# Altium PCB COEX PIX.pcbdoc (part 2 of 2)
Units mm, origin at the board's own origin, x right, y up, seen from the top; angles counter-clockwise.
Board outline 36.26 x 36.26 mm, 4 copper layers (Top Layer, Mid-Layer 1, Mid-Layer 2, Bottom Layer); 112 components, 139 nets, 467 pads, 443 vias.
Unrouted connection lines stored in the file: 3.
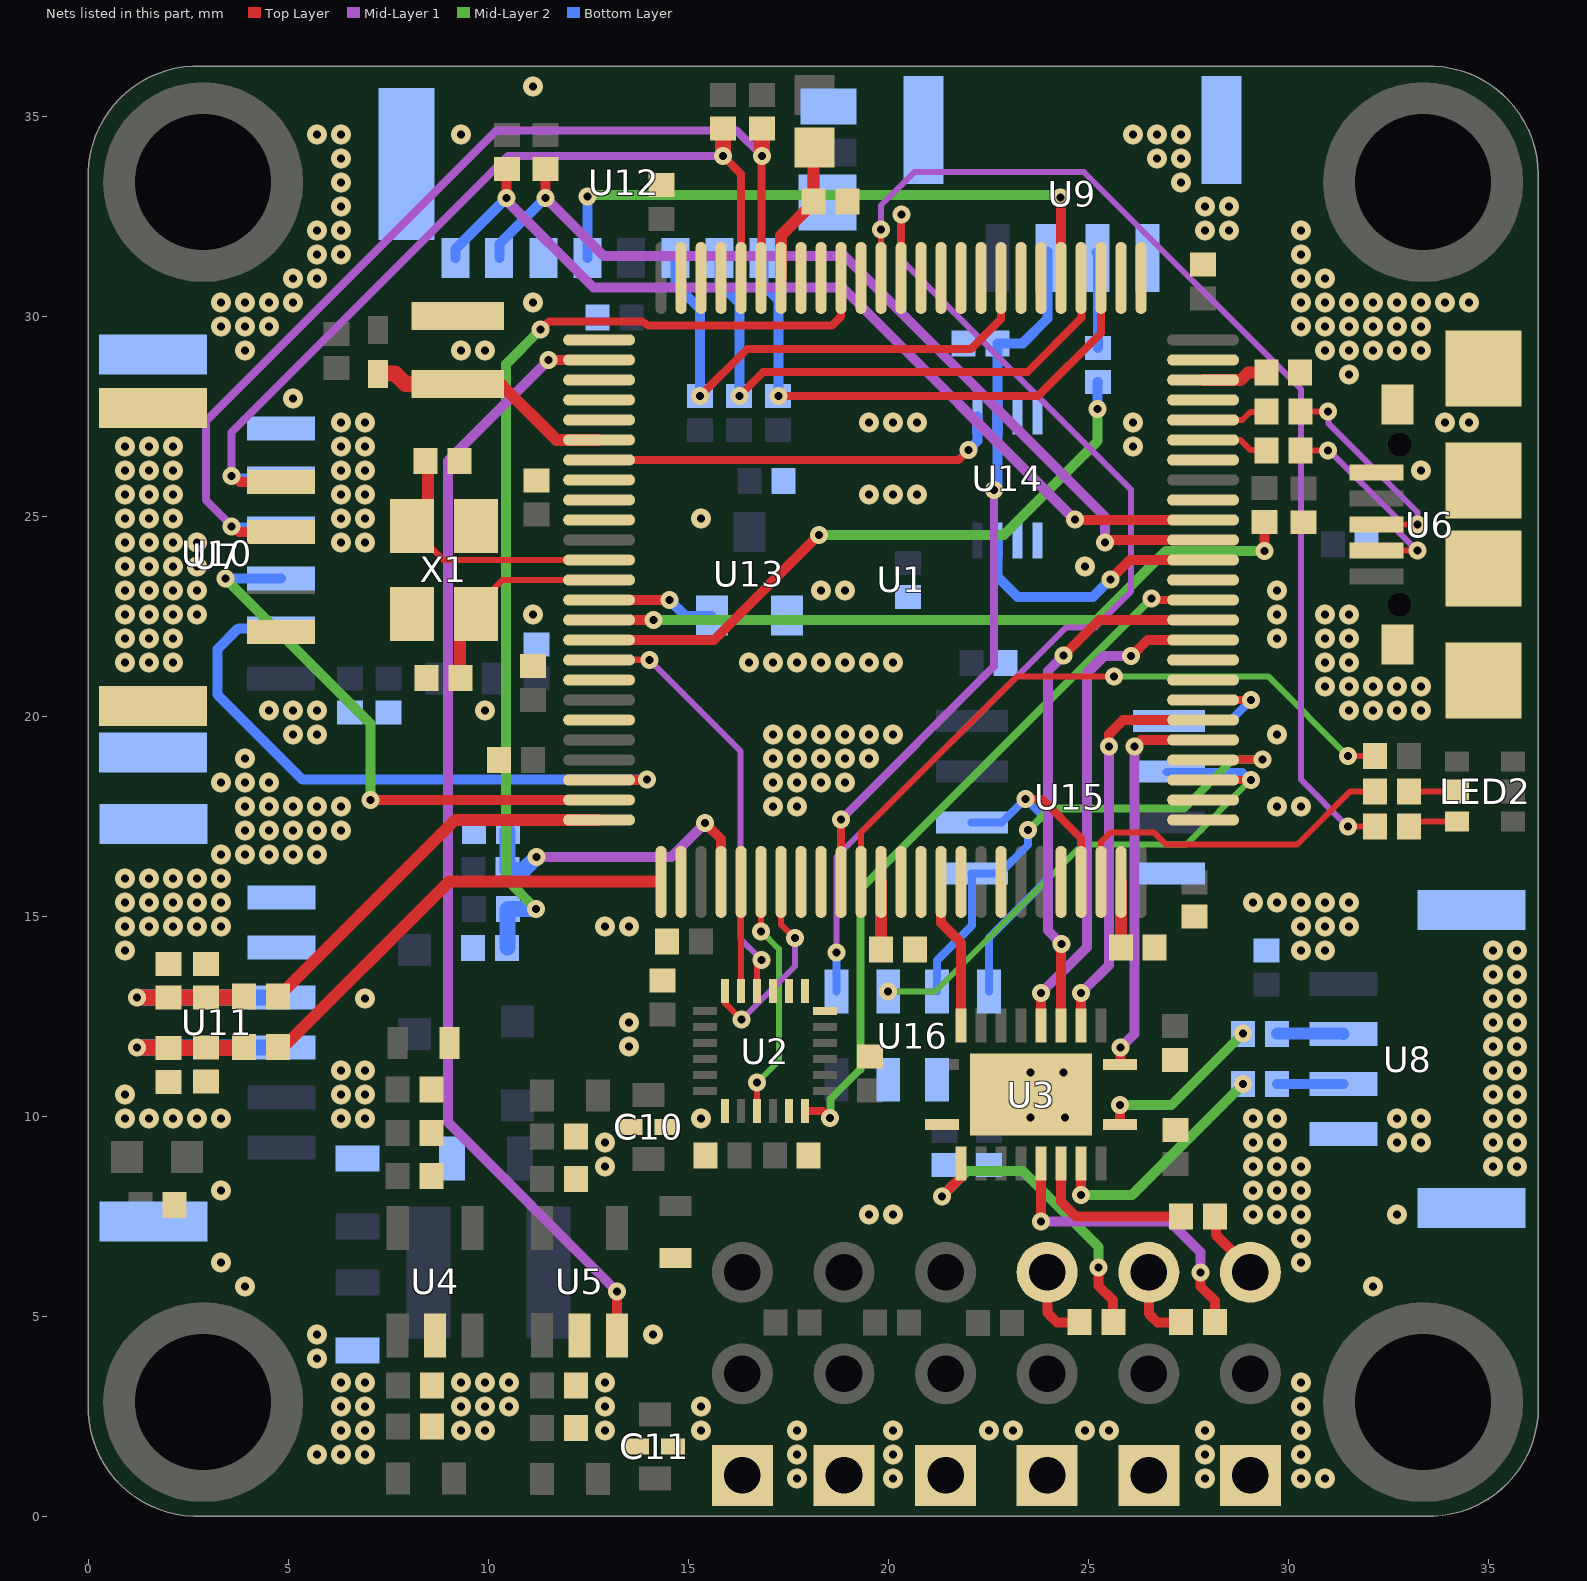
[diagram p4: the nets of this part, all layers, seen from the top]

## Via types
v1: diameter 0.5, hole 0.2, Top Layer to Bottom Layer, tented both sides, 327 vias
v2: diameter 0.45, hole 0.2, Top Layer to Bottom Layer, tented both sides, 93 vias
v3: diameter 0.6, hole 0.2, Top Layer to Bottom Layer, tented both sides, 8 vias
v4: diameter 0.45, hole 0.2, Top Layer to Bottom Layer, tented top, 7 vias
v5: diameter 0.6, hole 0.2, Top Layer to Bottom Layer, tented bottom, 4 vias
v6: diameter 0.8, hole 0.4, Top Layer to Bottom Layer, tented both sides, 2 vias
v7: diameter 0.6, hole 0.2, Top Layer to Bottom Layer, tented top, 1 vias
v8: diameter 0.45, hole 0.2, Top Layer to Bottom Layer, tented bottom, 1 vias

## Nets (pads, with @x,y where several pads share a name; then routed paths per layer and width w, separated by ;. In a path a pad name is that pad's centre, name@x,y a point inside that pad or via, vN(x,y) a via of type N, cw(c..) or ccw(c..) an arc to the next point about the centre after c; other vN are vias at no path point) (continued)
CH4: pad.4@23.978,6.105 R3.1 R3.2 U1.40 U3.9 U3.12 | length 13.7
  Top Layer w0.25: U1.40@21.326,15.862 21.326,14.839 21.825,14.339 U3.9@21.825,12.268 ; v2(21.35,8.003) 21.825,8.478 U3.12@21.825,8.818 ; pad.4@23.978,6.105 23.981,5.095 24.224,4.849 R3.1@24.781,4.849 ; v2(25.263,6.225) 25.263,5.761 25.629,5.395 R3.2@25.629,4.849
  Mid-Layer 2 w0.25: v2(21.35,8.003) 21.985,8.638 23.365,8.638 25.263,6.74 v2(25.263,6.225)
CH5: pad.5 R2.1 R2.2 U1.60 U3.5 U3.16 | length 22.1
  Top Layer w0.25: v2(23.826,7.368) U3.16@23.826,8.818 ; U3.5@23.825,12.268 v2(23.826,13.083) ; v2(26.078,21.505) 26.484,21.911 U1.60@27.875,21.911 ; pad.5@26.518,6.105 26.518,5.068 26.736,4.85 R2.1@27.323,4.847 ; v2(27.813,6.098) 27.813,5.751 28.172,5.392 R2.2@28.172,4.849
  Mid-Layer 1 w0.25: v2(23.826,7.368) 27.051,7.368 27.813,6.606 v2(27.813,6.098) ; v2(23.826,13.083) 24.968,14.226 24.968,21.08 25.393,21.505 v2(26.078,21.505)
CH6: pad.6 R1.1 R1.2 U1.61 U3.4 U3.17 | length 19.3
  Top Layer w0.25: U3.17@24.325,8.818 24.325,7.864 24.694,7.495 R1.1@27.346,7.495 ; U3.4@24.325,12.268 24.325,14.308 v2(24.331,14.313) ; v2(24.384,21.522) 25.274,22.412 U1.61@27.875,22.412 ; R1.2@28.194,7.495 28.194,7.042 29.048,6.189 pad.6@29.048,6.115
  Mid-Layer 1 w0.25: v2(24.331,14.313) 23.995,14.65 23.995,21.132 v2(24.384,21.522)
CS: 
D2_2: 
GND: C1.1 C2.1 C3.2 C4.1 C5.2 C6.1 C7.2 C8.1 C9.2 C10.2 C11.2 C12.1 C13.1 C14.2 C15.2 C16.2 C17.2 C18.2 C19.1 C20.1 C21.2 C22.1 C23.1 C24.2 C25.2 C26.2 C27.1 C28.2 C29.2 C30.2 C31.2 C32.1 C33.1 C34.2 C35.2 C36.1 C37.1 C38.2 C39.1 C40.2 C41.2 C42.1 C43.1 C44.2 C45.1 C46.2 pad.13 pad.14 pad.15 pad.16 pad.17 pad.18 pad.430 R7.2 R8.1 R9.2 R10.1 R11.1 R12.2 R20.1 R23.2 R30.2 R33.2 R37.2 U1.10 U1.20 U1.27 U1.74 U1.99 U2.11 U2.18 U2.20 U3.11 U3.21 U4.2 U5.2 U6.1@32.732,21.794 U6.1@32.735,27.796 U6.1@34.882,23.694 U6.1@34.882,25.893 U6.1@34.885,20.897 U6.1@34.885,28.697 U6.5 U7. U7.4 U8. U8.4 U9. U9.4 U10. U10.6 U11. U11.5 U11.6 U12.6 U12.9 U12.10 U12.11 U12.13 U13.1 U14.4 U14.5 U14.6 U15.4 U16.2 U16.3 X1.2 X1.4
  other v1: 17.717,0.944 20.117,0.944 27.917,0.944 30.317,0.944 30.917,0.944 5.717,1.544 6.317,1.544 6.917,1.544 17.717,1.544 20.117,1.544 27.917,1.544 30.317,1.544 6.317,2.144 6.917,2.144 9.317,2.144 9.917,2.144 12.917,2.144 15.317,2.144 17.717,2.144 20.117,2.144 22.517,2.144 23.117,2.144 24.917,2.144 25.517,2.144 27.917,2.144 30.317,2.144 6.317,2.744 6.917,2.744 9.317,2.744 9.917,2.744 10.517,2.744 12.917,2.744 15.317,2.744 30.317,2.744 6.317,3.344 6.917,3.344 9.317,3.344 9.917,3.344 10.517,3.344 12.917,3.344 30.317,3.344 5.717,3.944 5.717,4.544 14.117,4.544 3.917,5.744 32.117,5.744 3.317,6.344 30.317,6.344 30.317,6.944 19.517,7.544 20.117,7.544 29.117,7.544 29.717,7.544 30.317,7.544 32.717,7.544 3.317,8.144 29.117,8.144 29.717,8.144 30.317,8.144 12.917,8.744 29.117,8.744 29.717,8.744 30.317,8.744 35.117,8.744 35.717,8.744 12.917,9.344 29.117,9.344 29.717,9.344 32.717,9.344 33.317,9.344 35.117,9.344 35.717,9.344 0.917,9.944 1.517,9.944 2.117,9.944 2.717,9.944 3.317,9.944 6.317,9.944 6.917,9.944 15.317,9.944 29.117,9.944 29.717,9.944 32.717,9.944 33.317,9.944 35.117,9.944 35.717,9.944 0.917,10.544 6.317,10.544 6.917,10.544 35.117,10.544 35.717,10.544 6.317,11.144 6.917,11.144 35.117,11.144 35.717,11.144 13.517,11.744 35.117,11.744 35.717,11.744 13.517,12.344 35.117,12.344 35.717,12.344 6.917,12.944 35.117,12.944 35.717,12.944 35.117,13.544 35.717,13.544 0.917,14.144 30.317,14.144 30.917,14.144 35.117,14.144 35.717,14.144 0.917,14.744 1.517,14.744 2.117,14.744 2.717,14.744 3.317,14.744 12.917,14.744 13.517,14.744 30.317,14.744 30.917,14.744 31.517,14.744 0.917,15.344 1.517,15.344 2.117,15.344 2.717,15.344 3.317,15.344 29.117,15.344 29.717,15.344 30.317,15.344 30.917,15.344 31.517,15.344 0.917,15.944 1.517,15.944 2.117,15.944 2.717,15.944 3.317,15.944 3.317,16.544 3.917,16.544 4.517,16.544 5.117,16.544 5.717,16.544 3.917,17.144 4.517,17.144 5.117,17.144 5.717,17.144 6.317,17.144 3.917,17.744 4.517,17.744 5.117,17.744 5.717,17.744 6.317,17.744 17.117,17.744 17.717,17.744 29.717,17.744 30.317,17.744 3.317,18.344 3.917,18.344 4.517,18.344 17.117,18.344 17.717,18.344 18.317,18.344 18.917,18.344 3.917,18.944 17.117,18.944 17.717,18.944 18.317,18.944 18.917,18.944 19.517,18.944 5.117,19.544 5.717,19.544 17.117,19.544 17.717,19.544 18.317,19.544 18.917,19.544 19.517,19.544 20.117,19.544 29.717,19.544 4.517,20.144 5.117,20.144 5.717,20.144 9.917,20.144 31.517,20.144 32.117,20.144 32.717,20.144 33.317,20.144 30.917,20.744 31.517,20.744 32.117,20.744 32.717,20.744 33.317,20.744 0.917,21.344 1.517,21.344 2.117,21.344 16.517,21.344 17.117,21.344 17.717,21.344 18.317,21.344 18.917,21.344 19.517,21.344 20.117,21.344 30.917,21.344 31.517,21.344 0.917,21.944 1.517,21.944 2.117,21.944 29.717,21.944 30.917,21.944 31.517,21.944 0.917,22.544 1.517,22.544 2.117,22.544 2.717,22.544 11.117,22.544 29.717,22.544 30.917,22.544 31.517,22.544 0.917,23.144 1.517,23.144 2.117,23.144 2.717,23.144 18.317,23.144 18.917,23.144 29.717,23.144 0.917,23.744 1.517,23.744 2.117,23.744 2.717,23.744 24.917,23.744 0.917,24.344 1.517,24.344 2.117,24.344 2.717,24.344 6.317,24.344 6.917,24.344 0.917,24.944 1.517,24.944 2.117,24.944 6.317,24.944 6.917,24.944 15.317,24.944 0.917,25.544 1.517,25.544 2.117,25.544 6.317,25.544 6.917,25.544 19.517,25.544 20.117,25.544 20.717,25.544 0.917,26.144 1.517,26.144 2.117,26.144 6.317,26.144 6.917,26.144 33.317,26.144 0.917,26.744 1.517,26.744 2.117,26.744 6.317,26.744 6.917,26.744 26.117,26.744 6.317,27.344 6.917,27.344 19.517,27.344 20.117,27.344 20.717,27.344 26.117,27.344 33.917,27.344 34.517,27.344 5.117,27.944 31.517,28.544 3.917,29.144 9.317,29.144 9.917,29.144 30.917,29.144 31.517,29.144 32.117,29.144 32.717,29.144 33.317,29.144 3.317,29.744 3.917,29.744 4.517,29.744 30.317,29.744 30.917,29.744 31.517,29.744 32.117,29.744 32.717,29.744 33.317,29.744 3.317,30.344 3.917,30.344 4.517,30.344 5.117,30.344 11.117,30.344 30.317,30.344 30.917,30.344 31.517,30.344 32.117,30.344 32.717,30.344 33.317,30.344 33.917,30.344 34.517,30.344 5.117,30.944 5.717,30.944 30.317,30.944 30.917,30.944 5.717,31.544 6.317,31.544 30.317,31.544 5.717,32.144 6.317,32.144 27.917,32.144 28.517,32.144 30.317,32.144 6.317,32.744 27.917,32.744 28.517,32.744 6.317,33.344 27.317,33.344 6.317,33.944 26.717,33.944 27.317,33.944 5.717,34.544 6.317,34.544 9.317,34.544 26.117,34.544 26.717,34.544 27.317,34.544 11.117,35.744
  other v5: 23.558,9.977 24.419,9.977 23.558,11.103 24.385,11.103
Green: LED2.3 R27.2 | length 1.3
  Top Layer w0.15: R27.2@33.019,17.246 33.019,17.377 LED2.3@34.225,17.377
L3_1: 
L5_1: 
LED1_2: 
R1_2: 
R2_2: C22.2 R11.2 R14.2 U11.3 | length 6.3
  Top Layer w0.2: R11.2@2.063,11.72 R11.2@2.068,11.715 ; R14.2@3.894,11.712 R14.2@3.894,11.715
  Top Layer w0.4: v2(1.225,11.72) R11.2@2.063,11.72 ; R11.2@2.006,11.714 2.977,11.715 R14.2@3.894,11.715
  Bottom Layer w0.2: v2(1.225,11.72) v2@1.227,11.717
  Bottom Layer w0.4: v2@1.227,11.717 U11.3@4.83,11.717
R3_2: C21.1 R12.1 R13.2 U11.4 | length 6.3
  Top Layer w0.2: R12.1@2.004,12.972 R12.1@2.007,12.975 ; R13.2@3.892,12.975 R13.2@3.894,12.977
  Top Layer w0.4: v2(1.225,12.972) R12.1@2.004,12.972 ; R12.1@2.007,12.975 2.975,12.975 R13.2@3.892,12.975
  Bottom Layer w0.2: v2(1.225,12.972) v2@1.23,12.967
  Bottom Layer w0.4: v2@1.23,12.967 U11.4@4.83,12.967
R11_1: 
R14_1: 
R19_1: 
R20_1: 
R21_1: 
R33_1: 
R34_1: 
"RC input": R37.1 U1.35 U9.2 U14.2 | length 18.3
  Top Layer w0.2: v2(18.82,17.419) 18.824,17.415 U1.35@18.825,15.862
  Mid-Layer 1 w0.2: v2(18.82,17.419) 22.653,21.256 ; 22.651,21.258 v2(22.651,25.656)
  Bottom Layer w0.25: v2(22.651,25.656) 22.737,25.743 U14.2@22.737,27.496 R37.1@22.737,29.329 23.368,29.329 23.989,29.949 U9.2@23.989,31.625
Red: LED2.2 R26.2 | length 1.2
  Top Layer w0.15: R26.2@33.019,18.126 LED2.2@34.225,18.126
RSSI: R38.1 R38.2 U1.16 U9.3 | length 18.5
  Top Layer w0.25: U1.16@12.776,21.911 15.646,21.911 v2(18.274,24.539)
  Mid-Layer 2 w0.25: v2(18.274,24.539) 22.898,24.539 25.239,26.88 v2(25.239,27.688)
  Bottom Layer w0.25: U9.3@25.213,31.599 25.239,31.625 25.244,31.62 R38.1@25.244,29.212 ; v2(25.239,27.688) 25.239,28.358 R38.2@25.244,28.364
RX: U1.24 U10.3 | length 14.2
  Top Layer w0.25: v2(7.059,17.912) U1.24@12.776,17.911
  Mid-Layer 2 w0.25: v2(3.429,23.447) 7.059,19.817 v2(7.059,17.912)
  Bottom Layer w0.25: v2(3.429,23.447) U10.3@4.828,23.447
S$13: 
S$14: 
S$29: 
S$32: 
S$50: 
S$67: 
S$69: 
SCL: R19.1 U1.95 U7.2 U10.4 | length 26.4
  Top Layer w0.2: U1.95@16.825,30.961 16.837,30.973 16.837,34.005 v2(16.848,34.016)
  Top Layer w0.25: v2(3.579,24.745) 3.647,24.745 3.779,24.613 U7.2@4.818,24.613
  Top Layer w0.4: v2(16.848,34.016) R19.1@16.848,34.692
  Mid-Layer 1 w0.2: v2(3.579,24.745) 3.579,24.77 2.944,25.405 2.944,27.381 10.213,34.651 16.214,34.651 v2(16.848,34.016)
  Bottom Layer w0.25: v2(3.579,24.745) 3.603,24.721 4.802,24.721 U10.4@4.826,24.697
SDA: R18.1 U1.96 U7.1 U10.5 | length 22.7
  Top Layer w0.2: v2(15.873,34.016) 16.326,33.563 U1.96@16.326,30.961
  Top Layer w0.25: v2(3.579,26.015) 3.647,26.015 3.799,25.863 U7.1@4.818,25.863
  Top Layer w0.4: v2(15.873,34.016) R18.1@15.873,34.692
  Mid-Layer 1 w0.2: v2(3.579,26.015) 3.579,27.101 10.495,34.016 v2(15.873,34.016)
  Bottom Layer w0.25: v2@3.635,25.946 U10.5@4.826,25.946
"Telem RX": R29.1 R29.2 U1.56 U3.3 U3.18 U8.3 | length 17.7
  Top Layer w0.25: v2(24.825,8.039) U3.18@24.825,8.818 ; U3.3@24.825,12.268 v2(24.825,13.083) ; v2(25.527,19.245) 25.527,19.56 25.878,19.911 U1.56@27.875,19.911
  Mid-Layer 1 w0.25: v2(24.825,13.083) 25.527,13.785 v2(25.527,19.245)
  Mid-Layer 2 w0.25: v2(24.825,8.039) 26.103,8.039 v4(28.87,10.806)
  Bottom Layer w0.25: R29.2@29.718,10.806 U8.3@31.388,10.806
"Telem TX": R28.1 R28.2 U1.55 U3.1 U3.20 U8.2 | length 15.9
  Top Layer w0.25: U3.20@25.8,9.793 v2(25.8,10.284) ; U3.1@25.8,11.293 25.815,11.308 v2(25.815,11.72) ; v2(26.157,19.247) 26.321,19.412 U1.55@27.875,19.412
  Mid-Layer 1 w0.25: v2(25.815,11.72) 26.157,12.062 v2(26.157,19.247)
  Mid-Layer 2 w0.25: v2(25.8,10.284) 27.083,10.284 v4(28.87,12.071)
  Bottom Layer w0.3: R28.2@29.718,12.071 31.373,12.071 U8.2@31.388,12.055
TX: U1.23 U10.2 | length 15.8
  Top Layer w0.25: U1.23@12.776,18.412 13.97,18.41 v2(13.978,18.418)
  Bottom Layer w0.25: U10.2@4.878,22.201 3.756,22.201 3.236,21.682 3.236,20.544 5.362,18.418 v2(13.978,18.418)
U1_1: 
U1_7: U2.7
U1_19: U2.19
U1_21: U2.21
U2_1: U1.1
U2_2: U1.2 U5.3 | length 28.4
  Top Layer w0.25: v2(11.514,28.911) U1.2@12.776,28.912 ; U5.3@13.226,4.575 v2(13.226,5.624)
  Mid-Layer 1 w0.25: v2(11.514,28.911) 8.995,26.391 8.995,9.855 v2(13.226,5.624)
U2_3: U1.3
U2_4: U1.4
U2_5: U1.5
U2_6: C28.1 C29.1 D1.2 U1.6 | length 6.2
  Top Layer w0.3: C29.1@9.614,28.306 10.318,28.306 11.713,26.912 U1.6@12.776,26.912
  Top Layer w0.4: D1.2@7.239,28.577 7.669,28.577 7.937,28.309 9.612,28.309 C29.1@9.614,28.306
U2_7: U1.7 U14.1 | length 10.3
  Top Layer w0.2: U1.7@12.776,26.412 21.763,26.411 v2(22.015,26.663)
  Bottom Layer w0.25: v2(22.015,26.663) 22.237,26.885 U14.1@22.237,27.496
U2_8: U1.8
U2_9: U1.9
U2_11: 
U2_12: C26.1 U1.12 X1.1 | length 6.8
  Top Layer w0.15: X1.1@8.085,24.704 X1.1@8.128,24.747 ; X1.1@8.094,24.765 X1.1@8.495,25.166
  Top Layer w0.152: X1.1@8.085,24.704 8.877,23.911 U1.12@12.776,23.911
  Top Layer w0.3: C26.1@8.491,26.291 8.495,26.287 X1.1@8.495,25.166
U2_13: C25.1 U1.13 X1.3 | length 5.3
  Top Layer w0.15: X1.3@9.293,22.164 X1.3@9.694,22.565 9.694,22.599 X1.3@9.685,22.608
  Top Layer w0.152: X1.3@9.685,22.608 9.685,22.733 10.366,23.414 11.979,23.414 11.981,23.412 U1.13@12.776,23.412
  Top Layer w0.3: C25.1@9.29,20.957 9.293,20.961 X1.3@9.293,22.164
U2_14: U1.14 U13.2 | length 3.1
  Top Layer w0.2: v2(14.532,22.911) v2@14.605,22.838
  Top Layer w0.25: U1.14@12.776,22.911 v2(14.532,22.911)
  Bottom Layer w0.25: v2(14.532,22.911) 14.928,22.515 U13.2@15.581,22.515
U2_15: R24.2 U1.15 | length 18.1
  Top Layer w0.25: U1.15@12.776,22.412 v2(14.13,22.412) ; v2@29.386,24.113 v2(29.409,24.135) R24.2@29.409,24.857
  Mid-Layer 2 w0.25: v2(14.13,22.412) 25.218,22.412 26.942,24.135 v2(29.409,24.135)
U2_16: 
U2_17: U1.17 U2.22 | length 10.9
  Top Layer w0.15: U2.22@16.728,13.13 v2@16.726,13.879
  Top Layer w0.16: U1.17@12.776,21.412 v2(14.031,21.413) ; v2@16.726,13.879 v2@16.848,14.001
  Mid-Layer 1 w0.15: v2(14.031,21.413) 16.305,19.139 16.305,14.437 16.798,13.951 v2@16.848,14.001
  other v2: 16.841,13.909
U2_18: U1.18
U2_25: R13.1 U1.25 | length 9.9
  Top Layer w0.3: R13.1@4.743,12.977 9.181,17.416 U1.25@12.776,17.412
U2_26: R14.1 U1.26 | length 11.3
  Top Layer w0.3: R14.1@4.743,11.715 4.87,11.715 9.027,15.872 U1.26@14.304,15.872
U2_29: R32.1 R33.1 U1.29 | length 8
  Top Layer w0.25: v2@15.426,17.331 15.825,16.932 U1.29@15.825,15.862
  Mid-Layer 1 w0.25: v2(11.216,16.485) 14.58,16.485 v2@15.426,17.331
  Bottom Layer w0.4: R32.1@10.48,16.163 R32.1@10.482,16.161 ; R33.1@10.482,17.12 R32.1@10.482,16.161 ; v2(11.216,16.485) 10.892,16.161 R32.1@10.482,16.161
  other v2: 15.428,17.331
U2_30: U1.30 U2.23 | length 2.7
  Top Layer w0.15: U2.23@16.328,13.13 U1.30@16.328,15.863
  Top Layer w0.16: U1.30@16.326,15.862 U1.30@16.328,15.863
U2_31: U1.31 U2.9 | length 6.1
  Top Layer w0.15: U2.9@16.728,10.14 v2(16.726,10.847) ; v2(16.825,14.628) U1.31@16.825,15.862
  Top Layer w0.16: v2(16.726,10.847) v2(16.726,10.847)
  Mid-Layer 2 w0.15: v2(16.726,10.847) 17.273,11.394 17.273,14.1 17.273,14.18 v2(16.825,14.628)
U2_32: U1.32 U2.24 | length 5
  Top Layer w0.15: U2.24@15.927,13.13 15.927,12.826 v2(16.336,12.418) ; U1.32@17.326,15.862 17.326,14.796 17.664,14.458 v2(17.676,14.458)
  Mid-Layer 1 w0.15: v2(16.336,12.418) 17.676,13.759 v2(17.676,14.458)
U2_33: U1.33
U2_34: U1.34
U2_35: 
U2_36: R25.1 U1.36 | length 16.5
  Top Layer w0.15: U1.36@19.326,15.862 19.325,17.101 23.229,21.003 23.487,21.003 v2(25.651,21.003) ; v2(31.496,19.008) 32.168,19.008 R25.1@32.171,19.011
  Mid-Layer 2 w0.15: v2(25.651,21.003) 29.502,21.003 v2(31.496,19.008)
U2_37: R7.1 U1.37 | length 1.7
  Top Layer w0.3: R7.1@19.826,14.168 U1.37@19.826,15.862
U2_38: U1.38
U2_39: U1.39
U2_41: U1.41
U2_43: U1.43
U2_46: U1.46
U2_47: U1.47 U15.6 U16.8 | length 10.2
  Top Layer w0.2: v2@23.377,17.932 23.846,17.932 24.826,16.953 U1.47@24.826,15.862
  Bottom Layer w0.2: U15.6@22.088,17.346 22.843,17.346 v2(23.436,17.939) 24.003,17.372 24.003,15.944 22.519,14.46 U16.8@22.519,13.126
U2_48: R26.1 U1.48 | length 8.6
  Top Layer w0.15: U1.48@25.325,15.862 25.329,16.867 25.565,17.103 26.645,17.103 26.869,16.881 26.958,16.792 30.223,16.792 31.556,18.124 R26.1@32.171,18.124
U2_49: C2.2 U1.49 | length 1.6
  Top Layer w0.3: C2.2@25.826,14.226 U1.49@25.826,15.862
U2_51: U1.51
U2_52: U1.52
U2_53: U1.53 U15.2 U16.6 | length 14.6
  Top Layer w0.2: U1.53@27.875,18.412 v2(29.071,18.412)
  Mid-Layer 2 w0.15: v4(20.004,13.126) 21.185,13.126 24.851,16.792 27.451,16.792 v2(29.071,18.412)
  Bottom Layer w0.2: U15.2@26.958,18.614 28.855,18.614 29.057,18.412 v2(29.071,18.412)
U2_54: U1.54 U15.5 U16.7 | length 13.5
  Top Layer w0.2: U1.54@27.875,18.911 27.882,18.918 v2(29.359,18.918)
  Mid-Layer 2 w0.2: v2(23.503,17.155) 24.049,17.701 27.396,17.701 28.614,18.918 v2(29.359,18.918)
  Bottom Layer w0.2: U16.7@21.223,13.126 21.223,13.895 22.098,14.77 22.098,16.066 22.088,16.076 22.787,16.076 23.503,16.793 v2(23.503,17.155)
U2_57: U1.57 U15.1 | length 3.5
  Top Layer w0.2: U1.57@27.875,20.412 v2(29.071,20.412)
  Bottom Layer w0.2: U15.1@27.016,19.886 28.545,19.886 v2(29.071,20.412)
U2_58: U1.58
U2_59: U1.59
U2_62: U1.62 U2.12 | length 18.3
  Top Layer w0.2: U2.12@17.928,10.14 18.377,10.14 v2(18.554,9.963) ; v2@26.582,22.944 26.615,22.911 U1.62@27.875,22.911
  Mid-Layer 2 w0.2: v2(18.554,9.963) 18.555,10.429 19.304,11.178 19.304,15.67 v2(26.582,22.947)
U2_63: U1.63
U2_64: U1.64 U14.7 | length 6.6
  Top Layer w0.25: v2(25.56,23.428) 26.044,23.912 U1.64@27.875,23.911
  Bottom Layer w0.25: U14.7@22.737,24.396 22.737,23.491 23.241,22.987 25.118,22.987 v2(25.56,23.428)
U2_65: R17.1 U1.65 U12.7 | length 23.1
  Top Layer w0.25: v2(11.436,32.966) R17.1@11.436,33.688 ; v2(25.423,24.351) 25.484,24.412 U1.65@27.875,24.412
  Mid-Layer 1 w0.25: v2(11.436,32.966) 12.893,31.507 18.908,31.507 25.423,24.991 v2(25.423,24.351)
  Bottom Layer w0.25: U12.7@10.28,31.458 10.28,31.809 v2(11.436,32.966)
U2_66: R16.1 U1.66 U12.8 | length 23.5
  Top Layer w0.25: R16.1@10.465,33.688 10.465,32.893 v2@10.468,32.891 ; v2(24.669,24.919) 24.675,24.913 U1.66@27.875,24.912
  Mid-Layer 1 w0.25: v2@10.468,32.891 12.634,30.724 18.864,30.724 v2(24.669,24.919)
  Bottom Layer w0.25: U12.8@9.18,31.461 9.18,31.679 v2(10.467,32.966)
U2_67: U1.67
U2_69: U1.69
U2_70: R22.2 U1.70 | length 1.7
  Top Layer w0.15: U1.70@27.875,26.912 28.807,26.912 29.063,26.655 29.459,26.655 R22.2@29.462,26.653
U2_71: R21.2 U1.71 | length 1.7
  Top Layer w0.15: U1.71@27.875,27.412 28.86,27.412 29.056,27.61 29.452,27.61 R21.2@29.467,27.625
U2_72: U1.72
U2_73: C32.2 U1.73 | length 1.7
  Top Layer w0.3: U1.73@27.874,28.41 28.814,28.41 29.002,28.598 29.444,28.598 C32.2@29.452,28.606
U2_76: U1.76
U2_77: U1.77
U2_78: R36.2 U1.78 U12.1 | length 13.7
  Top Layer w0.2: v4(17.257,28.012) 23.751,28.012 25.327,29.583 U1.78@25.325,30.961
  Bottom Layer w0.25: U12.1@16.881,31.461 16.881,30.789 17.257,30.411 v4(17.257,28.012) R36.2@17.25,28.004
U2_79: R35.2 U1.79 U12.2 | length 14
  Top Layer w0.2: v4(16.279,28.009) 16.876,28.606 23.48,28.606 24.831,29.957 U1.79@24.826,30.961
  Bottom Layer w0.25: U12.2@15.78,31.461 15.781,30.832 16.279,30.332 v4(16.279,28.009) R35.2@16.274,28.004
U2_80: U1.80 U12.5 | length 15.3
  Top Layer w0.25: U1.80@24.325,30.961 24.326,32.815 v2@24.331,32.82
  Mid-Layer 2 w0.25: v2(12.479,33) 12.52,33.041 24.239,33.041 v2(24.306,32.974)
  Bottom Layer w0.25: v2(12.479,33) 12.479,31.458 U12.5@12.482,31.458
U2_81: U1.81
U2_82: U1.82
U2_83: R34.2 U1.83 U12.3 | length 13.1
  Top Layer w0.2: v4(15.301,28.009) 16.48,29.188 22.076,29.188 22.821,29.932 U1.83@22.826,30.961
  Bottom Layer w0.25: U12.3@14.682,31.461 14.682,30.805 15.301,30.185 v4(15.301,28.009) R34.2@15.296,28.004
U2_84: U1.84
U2_85: U1.85
U2_86: U1.86
U2_87: U1.87
U2_88: U1.88 U16.5 | length 26.9
  Top Layer w0.2: U1.88@20.323,30.958 U1.88@20.326,30.961 ; U1.88@20.326,30.961 20.326,32.559 20.333,32.551 v2(20.333,32.548)
  Mid-Layer 1 w0.15: v2(18.709,14.099) 18.709,16.486 24.451,22.227 25.179,22.227 26.078,23.126 26.078,25.667 20.333,31.412 v2(20.333,32.548)
  Bottom Layer w0.2: U16.5@18.709,13.126 v2(18.709,14.099)
U2_89: R27.1 U1.89 | length 27.1
  Top Layer w0.15: U1.89@19.826,30.961 v2@19.825,32.167 ; v2(31.496,17.246) R27.1@32.18,17.246
  Top Layer w0.25: v2(19.823,32.169) v2@19.825,32.167
  Mid-Layer 1 w0.15: v2@19.906,32.145 19.883,32.121 19.871,32.121 v2(19.823,32.169) 19.823,32.779 20.651,33.607 24.897,33.607 30.325,28.179 30.325,18.417 v2(31.496,17.246)
U2_90: U1.90
U2_91: R30.1 R31.1 U1.91 | length 25.5
  Top Layer w0.2: v2(11.314,29.67) 11.519,29.876 13.851,29.876 14.011,29.769 18.596,29.769 18.824,29.998 U1.91@18.825,30.961
  Mid-Layer 2 w0.25: v2(11.201,15.186) 10.447,15.94 10.447,28.804 v2(11.314,29.67)
  Bottom Layer w0.3: 10.432,14.543 10.44,14.551
  Bottom Layer w0.4: R30.1@10.488,14.224 R31.1@10.488,15.178 ; R31.1@10.495,15.186 v2(11.201,15.186)
U2_92: U1.92
U2_93: U1.93
U2_94: pad.@18.159,34.224 R20.2 U1.94 | length 3.6
  Top Layer w0.3: U1.94@17.326,30.961 17.326,32.029 18.137,32.84 18.137,32.865 18.137,34.202 pad.@18.159,34.224
U2_97: U1.97
U2_98: U1.98
U3_4: 
U6_1: 
U6_4: 
U12_2: R22.1 U6.2 | length 5.2
  Top Layer w0.15: R22.1@30.31,26.653 v2(30.996,26.653) ; U6.2@32.206,24.142 v2(33.231,24.142)
  Top Layer w0.2: v2(30.996,26.653) v2@31.006,26.663
  Mid-Layer 1 w0.15: v2@31.006,26.663 32.758,24.922 32.758,24.615 v2(33.231,24.142)
U12_3: R21.1 U6.3 | length 5.5
  Top Layer w0.15: R21.1@30.315,27.625 v2@31.001,27.625 ; U6.3@32.206,24.792 v2(33.231,24.792)
  Top Layer w0.2: v2@31.001,27.625 v2(31.004,27.623)
  Mid-Layer 1 w0.15: v2(31.004,27.623) 31.004,27.327 33.231,25.111 v2(33.231,24.792)
U12_4: 
U13_3: U14.3
U14_1: 
U14_4: 
pads on no net: U2.2 U2.3 U2.4 U2.5 U2.6 U2.14 U2.15 U2.16 U2.17 U4.4 U5.4 U6.4 U6.6 U12.12 U16.4

## Polygon pours and split planes (outlines as drawn)
"5V input" on Bottom Layer "Bottom Layer-5V input 2" (solid, remove dead copper, pour order 26): 7.837,4.32 7.837,5.844 9.144,5.844 9.144,4.32
no net on Bottom Layer "Bottom Layer-No Net" (solid, pour order 24): 7.515,5.336
"5V MAIN" on Bottom Layer "Bottom Layer-5V MAIN 1" (solid, remove dead copper, pour order 20): 12.426,12.829 12.426,11.305 7.747,11.305 7.747,12.829
"5V input" on Bottom Layer "Bottom Layer-5V input" (solid, remove dead copper, pour order 18): 9.906,4.32 9.906,10.741 12.192,10.741 12.192,4.32
GND on Bottom Layer "Top Layer-No Net" (solid, remove dead copper, pour order 16): 0.004,2.574 cw(c0.127,2.606) 0,2.606 0,2.701 cw(c2.76,2.726) 0.253,3.881 0.256,34.677 cw(c2.73,33.531) 2.615,36.255 cw(c2.632,36.16) 2.634,36.257 2.657,36.257 cw(c2.725,34) 2.748,36.258 cw(c2.749,36.151) 2.749,36.045 32.488,36.045 cw(c33.529,33.61) 33.618,36.257 cw(c33.626,36.09) 33.647,36.256 cw(c33.53,33.532) 36.008,34.669 36.008,3.868 cw(c33.54,2.725) 36.26,2.729 cw(c33.534,2.729) 33.633,0.004 cw(c33.612,0.127) 33.612,0.003 33.56,0.003 cw(c33.533,2.756) 32.415,0.24 3.84,0.238 cw(c2.727,2.719) 2.671,0 2.657,0 cw(c2.657,0.126) 2.644,0.001 cw(c2.726,2.726)
"5V MAIN" on Bottom Layer "Bottom Layer-5V MAIN" (solid, remove dead copper, pour order 6): 5.873,23.743 6.614,23.743 6.614,21.189 5.873,21.189
"5V input" on Bottom Layer "Bottom Layer-5V input 1" (solid, remove dead copper, pour order 0): 3.833,10.902 3.833,6.998 5.494,5.336 9.144,5.336 9.144,7.765 5.786,7.765 5.786,10.902
no net on Top Layer "Top Layer-No Net 1" (solid, pour order 22): 16.199,4.961
GND on Top Layer "Top Layer-GND" (solid, remove dead copper, pour order 8): 0.004,2.574 cw(c2.718,2.599) 0.254,3.737 0.257,33.594 cw(c0.13,33.594) 0.005,33.618 cw(c2.73,33.531) 2.615,36.255 cw(c2.633,36.151) 2.634,36.257 2.657,36.257 cw(c2.724,33.985) 2.748,36.258 cw(c2.748,36.139) 2.748,36.021 32.424,36.021 cw(c33.529,33.564) 33.618,36.257 cw(c33.626,36.079) 33.647,36.256 cw(c33.53,33.532) 36.008,34.668 36.009,3.886 cw(c33.439,2.722) 36.26,2.729 cw(c33.534,2.729) 33.633,0.004 cw(c33.612,0.127) 33.612,0.003 33.56,0.003 cw(c33.534,2.759) 32.379,0.256 3.875,0.254 cw(c2.727,2.719) 2.671,0 2.657,0 cw(c2.657,0.126) 2.644,0.001 cw(c2.726,2.726)
"5V MAIN" on Top Layer "Top Layer-5V MAIN" (solid, remove dead copper, pour order 4): 3.96,23.729 6.627,23.729 6.627,23.007 3.96,23.007
GND on Mid-Layer 2 "Top Layer-No Net1" (solid, remove dead copper, pour order 15): 0.004,2.574 cw(c0.127,2.606) 0,2.606 0,2.701 cw(c2.723,2.726) 0.253,3.873 0.256,34.677 cw(c2.73,33.531) 2.615,36.255 cw(c2.634,36.144) 2.634,36.257 2.657,36.257 cw(c2.727,33.781) 2.748,36.258 cw(c2.748,36.139) 2.692,36.035 32.456,36.035 cw(c33.529,33.562) 33.618,36.257 cw(c33.625,36.064) 33.647,36.256 cw(c33.53,33.532) 36.076,34.506 36.077,3.723 cw(c33.435,2.722) 36.26,2.729 cw(c33.534,2.729) 33.633,0.004 cw(c33.612,0.129) 33.612,0.003 33.56,0.003 cw(c33.534,2.759) 32.702,0.131 3.555,0.129 cw(c2.727,2.719) 2.671,0 2.657,0 cw(c2.657,0.127) 2.644,0.001 cw(c2.726,2.726)
GND on Mid-Layer 1 "Top Layer-No Net2" (solid, remove dead copper, pour order 17): 0.004,2.574 cw(c0.127,2.606) 0,2.606 0,2.701 cw(c2.723,2.726) 0.253,3.873 0.256,34.677 cw(c2.73,33.531) 2.615,36.255 cw(c2.633,36.154) 2.634,36.257 2.657,36.257 cw(c2.725,33.983) 2.748,36.258 cw(c2.748,36.146) 2.748,36.035 32.495,36.035 cw(c33.558,33.6) 33.647,36.256 cw(c33.53,33.532) 36.008,34.667 36.009,3.888 cw(c33.426,2.722) 36.26,2.729 cw(c33.534,2.729) 33.633,0.004 cw(c33.612,0.127) 33.612,0.003 33.56,0.003 cw(c33.533,2.748) 32.38,0.256 3.874,0.254 cw(c2.727,2.713) 2.671,0 2.657,0 cw(c2.657,0.127) 2.644,0.001 cw(c2.726,2.726)

## Keep-outs
Keep-Out Layer:
  lines w0.25: 0.004,2.571 0.004,2.572 ; 0.004,2.574 cw(c0.127,2.606) 0,2.606 0,2.701 cw(c2.726,2.726) 0,2.744 cw(c0.127,2.744) 0,2.748 0.003,33.594 cw(c0.13,33.594) 0.005,33.618 cw(c2.73,33.531) 2.615,36.255 cw(c2.634,36.129) 2.634,36.257 2.657,36.257 cw(c2.73,33.531) 2.748,36.258 cw(c2.748,36.13) 2.763,36.257 33.441,36.257 cw(c33.53,33.532) 33.618,36.257 33.63,36.257 cw(c33.63,36.129) 33.647,36.256 cw(c33.53,33.532) 36.256,33.541 ; 0.005,2.571 ccw(c2.724,2.722) 2.642,0 ; 2.657,0 cw(c2.657,0.127) 2.644,0.001 2.671,0 ccw(c2.726,2.726) 2.782,0 33.512,0.003 ccw(c33.516,0.13) 33.515,0.002 ccw(c33.534,2.729) 33.56,0.003 33.612,0.003 ccw(c33.612,0.13) 33.633,0.004 ccw(c33.534,2.729) 36.26,2.729 ccw(c33.534,2.729) 36.257,2.851 ; 36.256,33.541 cw(c36.129,33.528) 36.257,33.528 36.257,2.859 cw(c36.13,2.845) 36.257,2.851 ; 36.256,33.541 36.256,33.541 ; 36.257,2.851 36.257,2.851

## Other copper
Top Layer:
  pour cut-out: 26.248,13.77 26.241,13.763 26.241,12.448 25.945,12.448
  pour cut-out: 28.807,16.923 28.798,16.931 28.798,17.274 28.626,17.274 28.479,17.127 28.479,16.893
  pour cut-out: 28.753,16.142 28.753,16.639 28.575,16.639
  pour cut-out: 0.981,12.749 0.981,11.946 1.005,11.97 1.182,11.97
  pour cut-out: 32.514,36.168 32.514,35.828 32.625,35.717 32.757,35.849 32.757,35.967
  pour cut-out: 36.203,3.697 36.187,3.681 35.831,3.681 35.831,3.544 35.891,3.484 35.907,3.5 36.22,3.5
  pour cut-out: 32.725,0.339 32.73,0.334 32.73,0.066 32.884,0.066 33.053,0.235
  pour cut-out: 0.032,3.628 0.15,3.51 0.431,3.51 0.431,3.457 0.283,3.31
  pour cut-out: 3.623,0.425 3.614,0.417 3.614,0.042 3.474,0.042 3.448,0.068
  pour cut-out: 29.57,5.462 29.6,5.432 29.6,4.179 29.563,4.179 29.375,4.366
  pour cut-out: 16.298,4.894 16.323,4.869 16.323,4.37 16.481,4.37
  pour cut-out: 9.033,23.343 8.496,24.049 8.699,23.883
  pour cut-out: 15.82,12.787 18.05,12.787 18.055,10.491 15.82,10.486 15.82,12.787
Mid-Layer 1:
  pour cut-out: 3.72,0.424 3.748,0.397 3.748,0.095 3.579,0.095 3.533,0.049 3.508,0.073 3.508,0.366
  pour cut-out: 0.102,3.814 0.234,3.814 0.421,3.628 0.358,3.565 0.358,3.4 0.197,3.4 0.023,3.574
  pour cut-out: 32.5,0.454 32.5,0.211 32.637,0.074 32.756,0.193 32.756,0.367
  pour cut-out: 36.088,3.92 35.952,3.92 35.771,3.739 35.871,3.638 35.871,3.608
  pour cut-out: 32.547,36.114 32.625,36.036 32.625,35.806
Mid-Layer 2:
  pour cut-out: 0.063,3.597 0.313,3.597 0.408,3.502 0.317,3.412 0.317,3.282
  pour cut-out: 3.673,0.397 3.673,0.153 3.595,0.075 3.59,0.08 3.45,0.08
  pour cut-out: 32.643,0.389 32.643,0.054 32.68,0.017 32.861,0.198 32.861,0.336
  pour cut-out: 36.175,3.792 35.996,3.613 35.833,3.613 35.833,3.515 35.947,3.401 36.085,3.54 36.216,3.54
  pour cut-out: 32.392,36.106 32.392,36.026 32.605,35.813 32.7,35.908 32.869,35.908 32.869,35.959 32.59,36.238
Bottom Layer:
  pour cut-out: 32.827,36.231 32.933,36.124 32.933,35.852 33.039,35.852 33.127,35.939
  pour cut-out: 0.063,3.617 0.37,3.617 0.417,3.571 0.365,3.519 0.365,3.387 0.096,3.387 0.033,3.45
  pour cut-out: 3.587,0.387 3.575,0.376 3.575,0.042 3.414,0.042 3.356,0.1 3.356,0.353
  pour cut-out: 32.716,0.367 32.716,0.041 32.732,0.057 32.866,0.057 32.866,0.319 32.809,0.375
  pour cut-out: 36.172,3.66 36.057,3.66 35.864,3.468 35.928,3.403 35.928,3.32

## Silkscreen, mask and mechanical layers (free items; w line width, h text height)
Top Overlay:
  drawing of 534 lines, arcs and shapes, not listed
  text "Gusakov N.I." at 10.471,35.828 h1.2 r180
  text "PX4 flight controller" at 30.817,35.773 h1.5 r180
  text "Boot" at 18.996,35.743 h1 r270
  text "I2C" at 0.971,29.106 h1.3
  text "U1" at 20.193,24.398 h0.5
Bottom Overlay:
  text "U5" at 24.917,35.558 h0.3
  text "RC in" at 29.398,33.143 h1.3 r270
  text "copterexpress.com" at 35.56,30.552 h1.5 r90
  text "GPS" at 2.855,29.832 h1.3
  text "Telem 2" at 31.693,6.675 h1.3 r180
  text "PWR" at 0.445,6.551 h1.3 r180
  text "S" at 15.254,5.779 h1.3
  text "+" at 15.326,3.003 h2
  text "-" at 15.125,0.547 h2
  text "Rev. 1.0" at 8.89,0.51 h1.5